# KiCad board rp2350-decoder.kicad_pcb (continued)
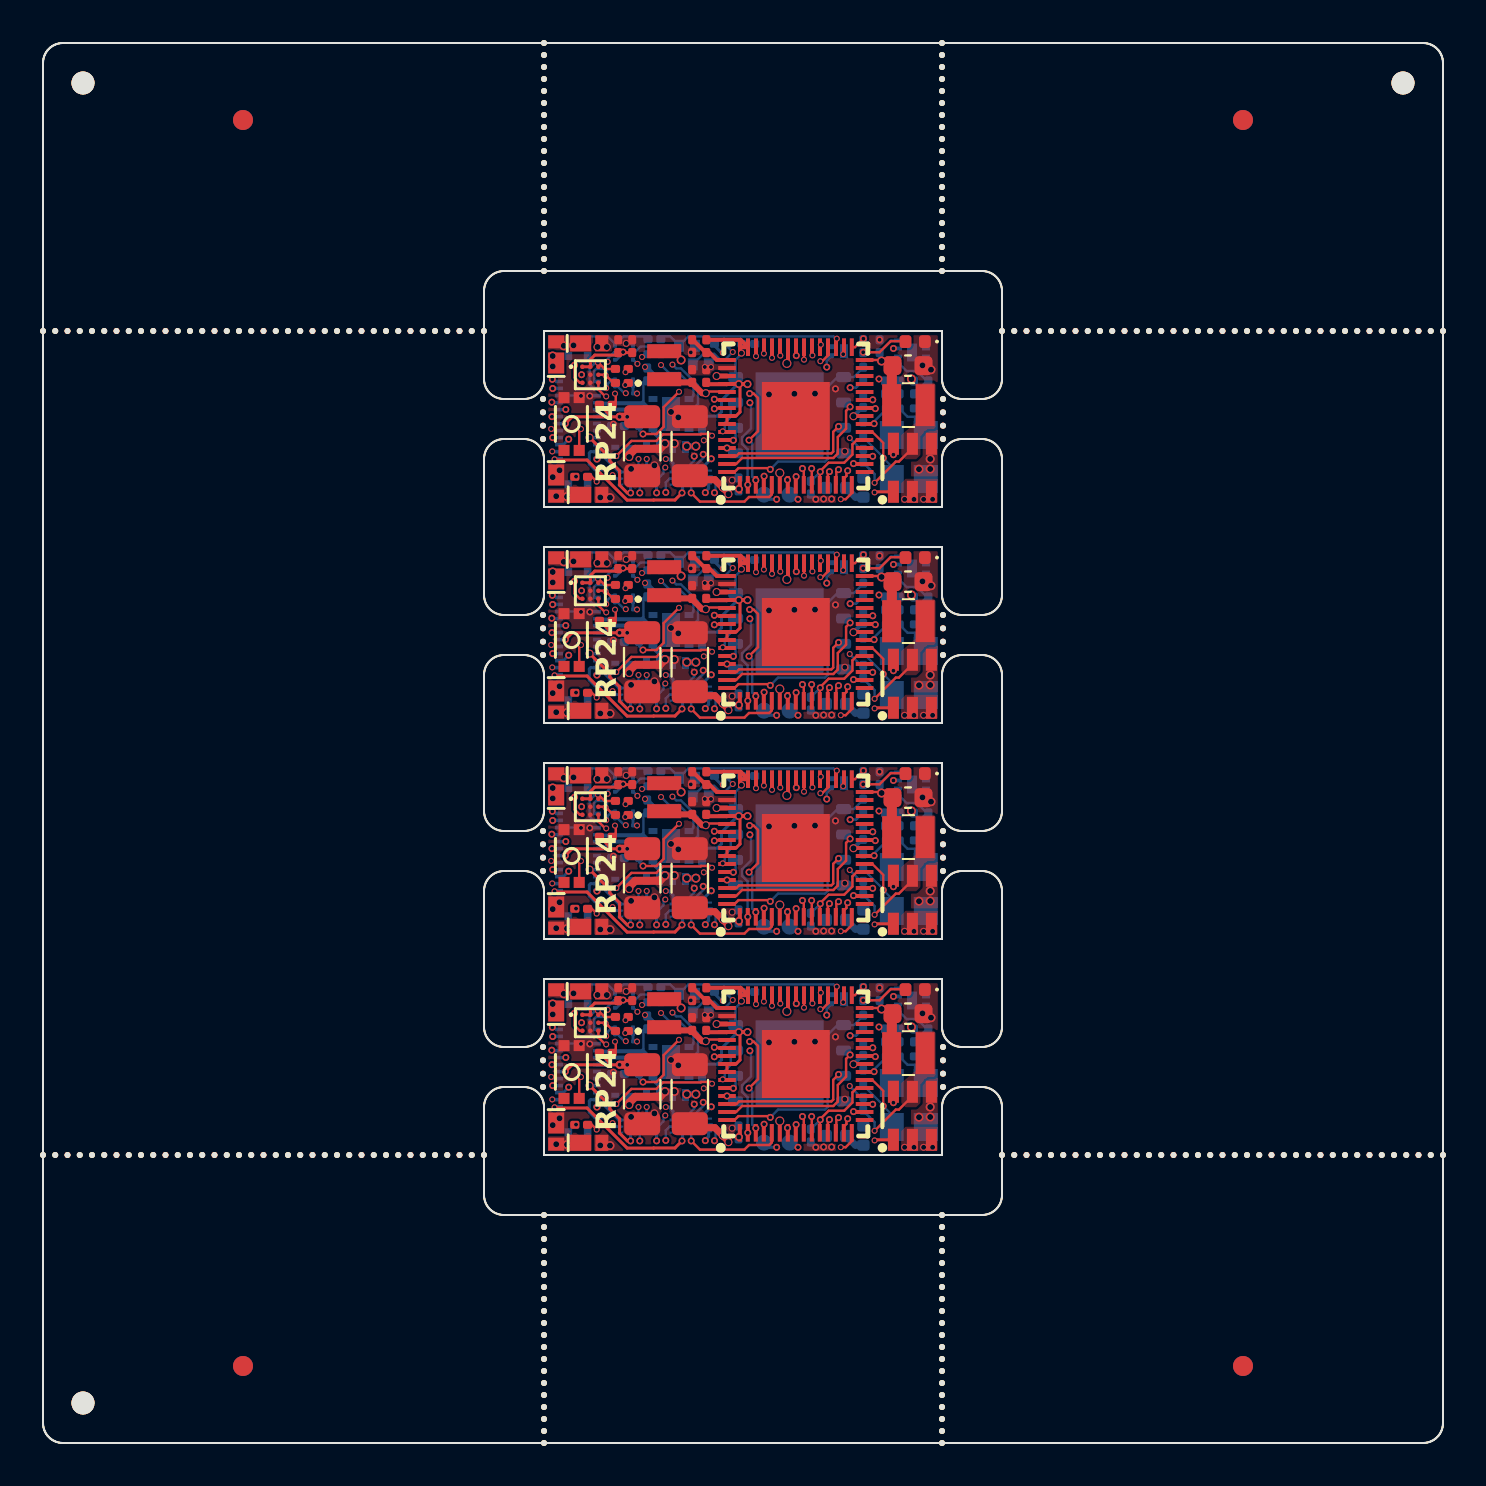
[diagram p0: board, top side]
## Routing (per net, layer and track width the routed paths; a pad name or vN(x,y) marks a point on that pad's centre or on a via; arc(x,y) is an arc through that point) (continued)
  Bottom w0.12: 25.8,18.92 25.46,18.92 v3(25.45,18.92)
Board_3-/AUX11: length 17.3
  In4.Cu w0.12: v3(35.34,19.61) 35.4,19.61 35.68,19.89 35.68,20.82 35.09,21.41 33.84,21.41 33.72,21.53 33.72,21.53 33.53,21.72 33.53,21.72 33.49,21.76 32.93,21.76 32.22,21.05 29.77,21.05 29.36,21.46 28.98,21.46 28.84,21.32 28.01,21.32 27.36,20.67 25.58,20.67 v3(25.47,20.78)
  Bottom w0.12: v3(35.24,15.51) 35.23,15.52 35.23,17.28 34.96,17.55 34.95,17.55 34.95,17.88 35.4,18.33 35.4,19.56 v3(35.34,19.61)
Board_3-/AUX12: length 15.6
  Top w0.12: v3(35.3,17.74) 35.75,18.19 35.75,19.85 35.53,20.07 v3(35.33,20.07)
  In4.Cu w0.12: v3(35.33,20.07) 34.74,20.07 34.23,20.58 33.53,20.58 33.29,20.82 29.67,20.82 29.67,20.82 29.67,20.82 28.47,20.82 28.31,20.66 27.83,20.66 27.49,20.32 v3(25.48,20.32)
  Bottom w0.12: v3(35.3,17.74) 35.46,17.58 35.46,15.92 v3(35.64,15.74) ; v3(25.48,20.32) 25.8,20.32
Board_3-/CAP_ENABLE: length 14.7
  Top w0.12: v5(33.45,17.96) 33.36,18.05 32.91,18.05 32.88,18.03 30.99,18.03 30.67,17.7 29.42,17.7 v5(28.66,16.95)
  In3.Cu w0.12: v5(40.01,22.04) 40.01,20.2 39.55,19.74 39.55,19.74 38.38,18.57 33.89,18.57 33.45,18.13 v5(33.45,17.96)
Board_3-/CAP_VDC: length 6.3
  Top w0.35: v1(33.99,15.36) 34.27,15.09 v1(34.27,15.04) 34.27,15.04 ; v1(33.99,15.36) 33.99,15.4 ; v1(33.99,15.36) 33.59,15.77 32.55,15.77 ; 31.56,17.57 v7(31.56,17.58)
  Top w0.4: v7(31.1,17.57) 30.83,17.31 29.61,17.31 29.31,17.01 v1(29.31,16.9)
  In3.Cu w0.4: 31.56,17.58 v7(31.56,17.58)
  Bottom w0.2: v7(31.1,17.57) 30.51,18.16 30.51,18.29 30.5,18.3 U6#2.1
  Bottom w0.35: C2#2.1 40.62,14.89 40.16,15.35 C3.1
  vias: v6(43.08,14.78) v6(43.55,14.78) v6(44.03,14.78) v6(44.48,14.78)
Board_3-/COMP_N: length 2.7
  Bottom w0.12: R1#4.2 42.14,20.06 42.78,20.7 R2#2.1 42.35,21.18 42.35,21.67 42.61,21.92 U1#4.6
Board_3-/COMP_P: length 2.8
  Bottom w0.12: U1#4.5 42.85,21.53 43.18,21.2 43.7,21.2 44.19,20.7 R4.1 44.19,20.7 R3#2.2
Board_3-/DCC_TTL_L: length 9.2
  Bottom w0.12: v5(39.69,22.82) 39.67,22.84 39.61,22.84 39.52,22.93 32.27,22.93 31.87,22.53 31.76,22.53 31.36,22.93 31.03,22.93 R6#4.2
Board_3-/DCC_TTL_R: length 6.1
  Top w0.12: U4.41 v5(36.45,21.86)
  In2.Cu w0.12: v5(34.49,22.15) 34.49,22.15 34.81,22.47 36.1,22.47 36.45,22.12 v5(36.45,21.86)
  Bottom w0.12: D8#3.1 33.02,22.06 33.56,22.06 33.86,21.76 34.1,21.76 v5(34.49,22.15) 34.11,22.53
Board_3-/GPIO2: length 4.6
  Top w0.12: v3(36.05,15.94) 36.04,15.93 U4.4
  In4.Cu w0.12: v3(36.05,15.94) 35.91,16.08 34.16,16.08 33.57,15.5 v3(33.57,15.11)
  Bottom w0.12: Q7#4.2 33.45,15.92 33.62,15.75 33.62,15.16 v3(33.57,15.11)
Board_3-/GPIO3: length 5.8
  Top w0.12: U4.5 36.44,15.03 36.31,14.9 35.3,14.9 35.07,14.67 32.85,14.67 v3(32.41,15.11)
  Bottom w0.12: Q7#4.5 32.54,15.82 32.41,15.69 v3(32.41,15.11)
Board_3-/GPIO4: length 7.6
  In2.Cu w0.12: v3(31.14,15.13) 31.6,14.67 35.07,14.67 35.99,15.59 37.06,15.59 v3(37.23,15.75)
  Bottom w0.12: v3(31.14,15.13) 31.14,15.63 31.33,15.82 Q8#2.5
Board_3-/GPIO5: length 10.1
  Top w0.12: U4.8 37.64,15.91 v3(37.65,15.92)
  In4.Cu w0.12: v3(29.84,15.11) 30.27,14.67 36.08,14.67 36.82,15.41 37.42,15.41 37.6,15.59 37.6,15.87 v3(37.65,15.92)
  Bottom w0.12: Q6#2.5 29.94,15.82 29.84,15.72 v3(29.84,15.11)
Board_3-/GPIO6: length 11.4
  Top w0.12: v3(37.97,16.33) 38.04,16.26 U4.9
  In4.Cu w0.12: v3(37.97,16.33) 37.67,16.63 36.22,16.63 35.91,16.31 34.06,16.31 33.49,15.75 28.75,15.75 28.51,15.99 v5(28.48,15.99)
  Bottom w0.12: v5(28.48,15.99) 28.51,15.99 28.68,15.82 Q5.5
Board_3-/GPIO7: length 11.8
  Top w0.12: v3(38.43,16.33) 38.44,16.32 U4.10
  In4.Cu w0.12: 38.43,16.35 38.43,16.53 38.1,16.86 36.13,16.86 35.81,16.55 33.96,16.55 33.4,15.98 30.4,15.98 29.74,16.64 29.74,16.72 29.77,16.75 v5(29.77,16.8)
  Bottom w0.12: v5(29.77,16.8) 29.77,16.05 29.64,15.92 Q5.2
Board_3-/GPIO8: length 10.4
  Top w0.12: v3(39.32,16.17) 39.24,16.09 U4.12
  In4.Cu w0.12: v5(31.11,16.38) 31.2,16.38 31.33,16.25 33.34,16.25 33.87,16.78 35.72,16.78 36.03,17.09 38.42,17.09 39.32,16.19 v3(39.32,16.17)
  Bottom w0.12: Q6#2.2 30.85,15.92 31.03,16.09 31.03,16.33 31.07,16.38 v5(31.11,16.38)
Board_3-/GPIO9: length 9.8
  Top w0.12: v3(39.78,16.27) 39.67,16.16 39.67,15.54
  In4.Cu w0.12: v3(33.01,17.03) 33.13,17.16 33.56,17.16 33.71,17 35.62,17 35.93,17.32 38.73,17.32 v3(39.78,16.27)
  Bottom w0.12: v3(33.01,17.03) 33.01,16.85 32.36,16.2 32.36,16.14 32.14,15.92 Q8#2.2
Board_3-/GPIO25: length 11.4
  Top w0.12: v5(38.05,21.77) U4.37
  In4.Cu w0.12: v5(38.05,21.77) 37.47,21.19 35.95,21.19 35.5,21.64 33.94,21.64 33.58,22 32.79,22 32.09,21.3 31.69,21.3 v5(31.47,21.52)
  Bottom w0.12: v5(31.47,21.52) 31.66,21.33 31.9,21.33 32.75,20.48 32.75,19.55 32.7,19.5 32.7,19.48 32.68,19.48 32.5,19.3 32.35,19.3 32.35,19.3 U6#2.6
Board_3-/GPIO26: length 10
  Top w0.12: v5(36.86,21.97) 36.85,21.98 U4.40
  In4.Cu w0.12: v5(36.86,21.97) 36.36,22.47 31.57,22.47 30.9,21.8 v5(30.9,21.5)
  Bottom w0.12: U6#2.5 32.33,19.83 32.35,19.83 32.4,19.88 32.43,19.88 32.52,19.97 32.52,20.38 31.8,21.1 31.3,21.1 v5(30.9,21.5)
Board_3-/I2S_BCLK: length 14.4
  Top w0.12: v3(26.58,21.49) 26.58,21.4 26.58,21.4 26.58,20.87 26.84,20.61 U5.C1
  In4.Cu w0.12: v5(38.89,22.51) 38.89,22.57 38.53,22.93 27.73,22.93 27.29,22.49 27.29,22.21 26.58,21.49 v3(26.58,21.49)
Board_3-/I2S_DIN: length 14.5
  Top w0.12: v5(38.87,21.69) 38.96,21.69 39.25,21.98 U4.34
  In4.Cu w0.12: v3(26.93,21.01) 26.93,21.31 27.59,21.98 28.39,21.98 28.57,21.8 29.29,21.8 30.19,22.7 38.25,22.7 38.87,22.08 v5(38.87,21.69)
Board_3-/I2S_LRCLK: length 15.9
  Top w0.12: v5(38.47,21.98) 38.45,22 U4.36 ; v5(28.16,19.93) 28.12,19.93 27.77,20.28 U5.C3
  In3.Cu w0.12: v5(38.47,21.98) 37.52,22.93 27.73,22.93 27.35,22.55 27.35,20.7 27.84,20.21 27.84,20.21 28.03,20.02 28.03,20.02 28.12,19.93 v5(28.16,19.93)
Board_3-/LAMP_FRONT: length 4.6
  Top w0.15: v3(29.38,15.11) 29.22,15.11 28.83,15.49 28.83,16.21 28.34,16.7 28.34,16.87 27.34,17.87 v1(27.33,17.87)
  Bottom w0.15: 27.7,17.88 27.33,17.88 v1(27.33,17.87) ; v3(29.38,15.11) Q5.3
Board_3-/LAMP_REAR: length 2.1
  Bottom w0.15: 27.7,17.53 27.93,17.53 28.09,17.37 28.09,16.86 28.8,16.15 Q5.6
Board_3-/MOTOR_A: length 3.2
  Bottom w0.2: 27.7,18.92 28.04,18.92 28.39,19.27 29.81,19.27 30.28,18.8 U6#2.2 30.5,18.8 30.52,18.8
Board_3-/MOTOR_B: length 4.4
  Bottom w0.12: R18#2.2 30.08,20.71 30.02,20.65 30.02,19.71 29.95,19.64 29.95,19.59
  Bottom w0.2: U6#2.3 30.3,19.3 30.01,19.59 28.33,19.59 28.31,19.57 28.01,19.57 28,19.58 27.7,19.28
Board_3-/QSPI_CS: length 10.5
  Top w0.12: 34.58,16.15 34.77,16.34 36.3,16.34 v3(36.36,16.28)
  Bottom w0.12: 39.72,20.89 39.23,20.4 39.23,16.8 39.1,16.67 36.75,16.67 v3(36.36,16.28) ; R8#3.1 41.01,21.36 40.54,20.89 U3.1
Board_3-/QSPI_SCLK: length 0.7
  Bottom w0.12: 34.63,18.36 34.63,17.85 v3(34.52,17.73)
Board_3-/QSPI_SD0: length 0.4
  Bottom w0.12: 34.47,17.08 v3(34.2,17.35)
Board_3-/QSPI_SD1: length 8.7
  Top w0.12: v3(40.35,19.41) 40.15,19.21 40.15,18.31 39.74,17.9 39.74,17.07 39.52,16.85 34.95,16.85 34.65,16.55 U4.59
  Bottom w0.12: v3(40.35,19.41) 40.14,19.62
Board_3-/QSPI_SD2: length 6.8
  Top w0.12: v3(39.78,18.43) 39.51,18.16 39.51,17.17 39.42,17.08 34.8,17.08 34.67,16.95 U4.58
Board_3-/QSPI_SD3: length 1.7
  Bottom w0.12: v5(33.99,18.18) 33.99,18.18 34.09,18.28 34.09,18.61 34.39,18.91 34.39,19.39 U3.7
Board_3-/RC_TX: length 14.6
  Top w0.12: v5(27.68,15.67) 27.44,15.91 R13#3.2 ; v5(39.89,14.79) 40.13,14.79 40.44,15.09 U4.15
  In1.Cu w0.12: v5(39.89,14.79) 39.89,14.83 39.58,15.14 36.55,15.14 36.08,14.67 29.11,14.67 28.36,15.42 27.94,15.42 v5(27.68,15.67)
Board_3-/SPEAKER_N: length 2.5
  Top w0.12: U5.B3 28.1,21.01 v5(28.13,20.98) 28.22,20.89 28.24,20.89 28.58,20.55
  Bottom w0.12: 27.56,20.65 27.56,21.21 27.65,21.3 28.1,21.3 28.2,21.2 28.2,21.05 v5(28.13,20.98)
Board_3-/SPEAKER_P: length 3
  Top w0.12: 28.57,21.3 28.09,21.3 27.77,21.62 v5(27.74,21.62) 27.77,21.59 U5.A3
  Bottom w0.12: v5(27.74,21.62) 27.62,21.62 27.33,21.33 27.33,20.52 27.52,20.33 J3#2.2
Board_3-/SWCLK: length 10.1
  Top w0.15: U4.24 41.58,19.35 v3(41.62,19.32)
  In4.Cu w0.15: v3(37.75,14.79) 37.75,15.03 38.22,15.5 40.66,15.5 41.29,16.13 42.51,16.13 43.14,16.76 43.14,17.9 41.72,19.32 v3(41.62,19.32)
Board_3-/SWDIO: length 12
  Top w0.15: U4.25 41.48,19.75 v3(41.49,19.76)
  In4.Cu w0.15: v3(41.49,19.76) 41.26,19.53 41.26,19.15 41.48,18.93 41.74,18.93 42.88,17.79 42.88,16.87 42.41,16.39 41.18,16.39 40.55,15.76 38.12,15.76 37.52,15.17 37.01,15.17 36.68,14.83 v3(36.68,14.78)
  Bottom w0.15: J1#2.1 36.29,14.78 v3(36.68,14.78)
Board_3-/SWITCH: length 4.1
  Top w0.12: v5(41.58,15.61) 42.64,16.67 42.79,16.67 43.47,17.34 U2#2.5
  Bottom w0.12: C4.2 41.01,16.58 41.06,16.53 41.09,16.53 41.32,16.3 41.32,16.3 41.5,16.12 41.5,16.12 41.58,16.04 v5(41.58,15.61)
Board_3-/TRACK_LEFT: length 3.5
  Bottom w0.12: R6#4.1 30.22,22.82 30.19,22.82 30.08,22.93 29.02,22.93 28.62,22.53 28.62,22.48 Q4.6 28.6,22.56 28.23,22.93 27.3,22.93
  vias: v7(26.04,22.46) v7(26.52,22.48)
Board_3-/TRACK_RIGHT: length 18.9
  In2.Cu w0.12: 27.35,21.15 27.35,20.95 27,20.6 26.55,20.6 25.79,19.84 25.79,19.31 25.77,19.3 25.77,19.1 25.79,19.08 25.79,18.74 25.75,18.7 25.75,18.1 25.83,18.02 25.83,17.26 26.22,16.86 26.22,16.07 25.66,15.51 v7(25.66,14.94) ; 27.35,21.15 27.35,22.56 27.73,22.93 33.22,22.93 34,22.15 34,22.13 33.99,22.12 v5(33.99,22.11) ; 27.35,21.15 27.35,21 28.01,20.34 v5(28.16,20.34)
  Bottom w0.12: v5(28.16,20.34) 28.2,20.3 28.22,20.3 28.24,20.32 28.24,20.56 28.46,20.78 Q3#4.6
  Bottom w0.15: R7#4.2 33.51,22.56 33.5,22.56 33.5,22.54 33.89,22.15 33.96,22.15 33.99,22.12 v5(33.99,22.11)
  vias: v7(26.2,14.92)
Board_3-/USB_N: length 7.2
  Top w0.12: v3(33.57,19.79) 33.6,19.75 U4.51
  In1.Cu w0.12: v5(29.11,20.5) 28.79,20.82 28.79,21.27 28.98,21.46 29.26,21.46 29.7,21.02 30.4,21.02 31.75,19.67 33.45,19.67 v3(33.57,19.79)
Board_3-/USB_P: length 7
  Top w0.12: v3(33.57,19.31) 33.61,19.35 U4.52
  In1.Cu w0.12: v3(33.57,19.31) 33.45,19.43 33.2,19.43 arc(33.13,19.4) 33.11,19.33 33.11,19.25 arc(33.08,19.18) 33.02,19.16 32.97,19.16 arc(32.9,19.18) 32.88,19.25 32.88,19.33 arc(32.85,19.4) 32.79,19.43 32.74,19.43 arc(32.67,19.4) 32.65,19.33 32.65,19.25 arc(32.62,19.18) 32.56,19.16 32.51,19.16 arc(32.44,19.18) 32.42,19.25 32.42,19.33 arc(32.39,19.4) 32.33,19.43 32.28,19.43 arc(32.21,19.4) 32.19,19.33 32.19,19.25 arc(32.16,19.18) 32.1,19.16 32.05,19.16 arc(31.98,19.18) 31.96,19.25 31.96,19.33 arc(31.93,19.4) 31.87,19.43 31.65,19.43 30.3,20.78 29.59,20.78 29.23,21.14 v5(29.13,21.14)
Board_3-/XIN: length 4.7
  Top w0.11: U4.21 41.47,18.15 42.01,17.61 v3(42.01,16.85)
  Bottom w0.11: Y1#3.1 42.44,16.42 v3(42.01,16.85) 42.01,16.89 41.01,17.89 C11#4.1
Board_3-/XOUT: length 1.5
  Top w0.12: v3(41.55,18.57) 41.54,18.55 U4.22
  Bottom w0.12: R5#4.2 42.17,19.29 41.55,18.67 v3(41.55,18.57)
Board_3-GND: length 3.8
  Bottom w0.12: v6(34.45,15.74) 34.45,15.74 34.45,15.78 34.53,15.85 C13.2 ; v6(29.16,22.58) 29.4,22.58 29.5,22.48 Q4.1 ; Q8#2.1 32.05,16.22 32.56,16.73 v3(32.56,16.94) ; v3(26.9,19.95) 26.88,19.97 25.8,19.97
  Bottom w0.15: Q5.1 29.4,16.23 v1(29.4,16.31) ; v1(30.57,16.48) 30.57,16.36 Q6#2.1 ; 27.7,19.97 27.36,19.97 v3(27.34,19.95)
  Bottom w0.2: 31.59,19.26 31.59,19.45
  vias: v1(27.72,22.4) v1(28.19,22.4) v1(31.4,19.15) v1(31.76,18.88) v3(28.52,18.54) v3(38.64,14.78) v3(39.03,14.8) v3(39.43,14.8) v3(39.62,20.31) v3(41.83,22.76) v5(32.39,22.13) v5(33.09,21.4) v5(33.4,21.4) v6(40.09,17.19) v7(27.87,14.88) v7(28.35,14.87) v7(36.3,20.03) v7(37.57,20.06) v7(38.6,20.07) v7(43.8,16.29) v7(43.97,21.48) v7(44.4,21.26) v7(44.36,16.8) v7(44.36,16.3)
Board_3-Net-(C8-Pad1): length 2.9
  Bottom w0.12: 43.6,18.91 43.6,18.54 Y1#3.3 ; C8#2.1 43.79,18.91 43.23,18.91 R5#4.1
Board_3-Net-(D9-A): length 2.3
  Top w0.12: 43.1,22.69 42.38,22.69 41.83,22.14 v3(41.01,22.14)
Board_3-Net-(Q2-G): length 4.7
  In4.Cu w0.12: v3(39.19,21.39) 39.27,21.32 39.92,21.32 39.92,21.32 40.98,21.32 41.99,22.33 v3(42.52,22.33)
  Bottom w0.12: v3(42.52,22.33) 42.6,22.33 42.6,22.33 U1#4.7 ; v3(39.19,21.39) 39.19,21.71 39.41,21.94 39.48,21.94 39.5,21.92
Board_3-Net-(Q3A-B1): length 4
  In2.Cu w0.12: v5(29.7,20.08) 29.7,20.52 30.42,21.24 30.42,21.53 30.05,21.9 v5(29.95,21.9)
  Bottom w0.12: v5(29.7,20.08) 29.7,20.08 Q3#4.3 ; R12#4.1 30.09,22.04 v5(29.95,21.9) ; Q3#4.3 Q3#4.1 ; Q3#4.3 Q3#4.2
Board_3-Net-(Q3B-B2): length 10.3
  In2.Cu w0.12: v5(26.65,15.92) 26.65,17.91 26.49,18.08 26.49,20.03 26.76,20.3 27.5,20.3 27.69,20.11 27.69,19.95 28.03,19.61 28.65,19.61 v5(29.14,20.09)
  In3.Cu w0.12: v5(29.72,21.56) 29.72,20.55 29.26,20.09 v5(29.14,20.09)
  Bottom w0.12: Q3#4.5 28.73,20.43 29.07,20.09 v5(29.14,20.09) ; v5(29.72,21.56) 29.7,21.58 29.7,21.58 29.52,21.76 Q4.3
Board_3-Net-(Q3B-E2): length 3.1
  Top w0.12: R11#4.2 28.64,19.69 28.64,20.06 28.63,20.07 v5(28.6,20.07)
  In3.Cu w0.12: v5(28.24,21.66) 28.64,21.26 28.64,20.11 v5(28.6,20.07)
  Bottom w0.12: Q4.5 28.53,22.11 28.24,21.82 v5(28.24,21.66)
Board_3-Net-(Q4A-B1): length 1.7
  Bottom w0.12: R12#4.2 30.51,22.42 29.87,22.42 29.56,22.11 Q4.2
Board_3-Net-(R8-Pad2): length 17.1
  Top w0.12: SW1#2.2 26.81,18.21 v5(26.9,18.3)
  In3.Cu w0.12: v3(40.36,20.37) 40.36,20.36 40.36,20.23 39.78,19.65 39.78,19.64 38.47,18.34 34.63,18.34 33.94,17.64 33.09,17.64 33.04,17.7 v5(33.04,17.73)
  In4.Cu w0.12: v5(33.04,17.73) 32.8,17.97 31.28,17.97 30.85,18.4 29.57,18.4 29.37,18.19 27.71,18.19 27.6,18.3 v5(26.9,18.3)
  Bottom w0.12: v3(40.36,20.37) 40.36,20.37 40.66,20.37 41.01,20.72 R8#3.2
Board_3-Net-(U2-BST): length 3.5
  In1.Cu w0.12: v3(42.52,17.01) 41.69,17.85 v5(40.34,17.85)
  Bottom w0.12: v5(40.34,17.85) 40.34,17.84 40.96,17.22 40.98,17.22 41.01,17.25 C4.1
Board_3-Net-(U4-GPIO19): length 0.8
  Top w0.12: U4.31 40.59,22.39 v3(41.02,22.81)
Board_3-Net-(U4-VREG_AVDD): length 2.2
  Top w0.2: U4.46 33.69,21.75 33.32,22.12 R14.1 33.13,22.12 32.49,22.76 C15#2.1
Board_3-Net-(U4-VREG_LX): length 2.6
  Top w0.25: v1(33.68,20.95) U4.48
  In1.Cu w0.35: v1(33.68,20.95) 32.74,20.95 31.94,21.75 v7(31.9,21.75)
Board_3-VDC: length 12.2
  In3.Cu w0.12: v3(41.8,20.8) 41.32,20.8 40.54,20.02 40.48,20.02 40.01,19.55 40.01,19.55 38.57,18.11 35.18,18.11 34.95,17.88 34.95,17.5 34.4,16.95 33.85,16.95 33.39,17.41 32.67,17.41 v7(32.64,17.44)
  Bottom w0.12: 32.67,17.41 v7(32.64,17.44)
  Bottom w0.15: J3#2.17 25.64,18.22 25.63,18.23 25.48,18.23 v5(25.41,18.3)
  Bottom w0.3: v7(32.64,17.44) 32.63,17.43 32.21,17.43 32.18,17.4 D5#3.2
  vias: v7(25.49,21.95) v7(25.49,21.43) v7(25.49,15.89) v7(25.83,16.24) v7(32.19,17.44)

## Copper pours and planes (outline as drawn; the poured copper is in the pictures)
Board_0-+3.3V on In1.Cu: 44.75,55.5 44.75,46.8 25.05,46.8 25.05,55.49
Board_0-+3.3V on In3.Cu: 44.75,55.5 44.75,50.85 27.41,50.85 27.43,55.5
Board_0-/CAP+ on Bottom: 27.4,50.88 27.99,50.88 28,50.89 28,51.29 28.16,51.45 29.91,51.45 29.92,51.44 29.92,50.69 30.08,50.53 30.18,50.53 30.35,50.36 30.35,49.46 30.29,49.4 28.54,49.4 27.51,50.43 27.4,50.43
Board_0-/CAP_VDC on Top: 31.67,47.81 32.94,47.81 33.24,48.11 33.24,48.8 31.89,50.15 30.6,50.15 30.46,50.01 30.46,49.65 31.44,48.67 31.44,48.04
Board_0-/CAP_VDC on Top: 44.95,46.8 42.9,46.8 42.9,47.98 43.13,48.21 44.95,48.21
Board_0-/CAP_VDC on Bottom: 44.55,47.37 44.55,46.8 40.59,46.8 40.59,47.52 40.73,47.66 44.26,47.66
Board_0-/CAP_VDC on Bottom: 31.72,49.4 31.81,49.49 31.81,50.14 31.74,50.21 30.58,50.21 30.49,50.12 30.49,49.49 30.58,49.4
Board_0-/CAP_VDC on In3.Cu: 25.05,55.5 44.75,55.5 44.75,46.8 25.05,46.8
Board_0-/SWITCH on Top: 43.87,50.33 44.23,50.7 44.54,50.7 44.63,50.8 44.64,52.91 44.53,53.02 43.76,53.02 43.65,52.91 43.65,51.04 42.91,50.4 42.92,49.4 43.13,49.19 43.66,49.19 43.87,49.4
Board_0-/TRACK_LEFT on Top: 27.44,54.56 25.17,54.56 25.06,54.67 25.06,55.5 27.51,55.5 27.51,54.63
Board_0-/TRACK_LEFT on Bottom: 25.88,55.57 26.51,55.56 26.57,55.5 27.43,55.5 27.53,55.4 27.53,54.13 27.44,54.04 26.05,54.04 25.78,54.31 25.78,55.47
Board_0-/TRACK_RIGHT on Top: 27.43,47.01 27.43,47.8 27.33,47.91 26.23,47.91 26.07,47.74 25.11,47.74 25.11,46.85 27.28,46.85
Board_0-/TRACK_RIGHT on Bottom: 25.6,47.13 26.3,47.13 26.79,47.63 27.44,47.62 27.48,47.67 27.48,48.12 27.44,48.16 25.63,48.16 25.42,47.95 25.42,47.31
Board_0-GND on Top, Bottom, In2.Cu, In4.Cu: 25.05,55.5 44.95,55.5 44.95,46.8 25.05,46.8
Board_0-VDC on Top: 25.05,49.03 27.31,49.03 27.33,49.01 27.33,47.91 27.29,47.87 25.05,47.87
Board_0-VDC on Bottom: 25.05,54.59 25.57,54.59 26.29,53.87 26.29,53.71 26.01,53.43 25.05,53.43
Board_0-VDC on In1.Cu, In3.Cu: 25.06,55.5 26.62,55.5 32.88,49.9 32.88,46.8 25.06,46.79
Board_1-+3.3V on In1.Cu: 44.75,44.7 44.75,36 25.05,36 25.05,44.69
Board_1-+3.3V on In3.Cu: 44.75,44.7 44.75,40.05 27.41,40.05 27.43,44.7
Board_1-/CAP+ on Bottom: 27.4,40.08 27.99,40.08 28,40.09 28,40.49 28.16,40.65 29.91,40.65 29.92,40.64 29.92,39.89 30.08,39.73 30.18,39.73 30.35,39.56 30.35,38.66 30.29,38.6 28.54,38.6 27.51,39.63 27.4,39.63
Board_1-/CAP_VDC on Top: 44.95,36 42.9,36 42.9,37.18 43.13,37.41 44.95,37.41
Board_1-/CAP_VDC on Top: 31.67,37.01 32.94,37.01 33.24,37.31 33.24,38 31.89,39.35 30.6,39.35 30.46,39.21 30.46,38.85 31.44,37.87 31.44,37.24
Board_1-/CAP_VDC on Bottom: 44.55,36.57 44.55,36 40.59,36 40.59,36.72 40.73,36.86 44.26,36.86
Board_1-/CAP_VDC on Bottom: 31.72,38.6 31.81,38.69 31.81,39.34 31.74,39.41 30.58,39.41 30.49,39.32 30.49,38.69 30.58,38.6
Board_1-/CAP_VDC on In3.Cu: 25.05,44.7 44.75,44.7 44.75,36 25.05,36
Board_1-/SWITCH on Top: 43.87,39.53 44.23,39.9 44.54,39.9 44.63,40 44.64,42.11 44.53,42.22 43.76,42.22 43.65,42.11 43.65,40.24 42.91,39.6 42.92,38.6 43.13,38.39 43.66,38.39 43.87,38.6
Board_1-/TRACK_LEFT on Top: 27.44,43.76 25.17,43.76 25.06,43.88 25.06,44.7 27.51,44.7 27.51,43.83
Board_1-/TRACK_LEFT on Bottom: 25.88,44.77 26.51,44.76 26.57,44.7 27.43,44.7 27.53,44.6 27.53,43.33 27.44,43.24 26.05,43.24 25.78,43.51 25.78,44.67
Board_1-/TRACK_RIGHT on Top: 27.43,36.2 27.43,37.01 27.33,37.11 26.23,37.11 26.07,36.94 25.11,36.94 25.11,36.05 27.28,36.05
Board_1-/TRACK_RIGHT on Bottom: 25.6,36.33 26.3,36.33 26.79,36.83 27.44,36.82 27.48,36.87 27.48,37.32 27.44,37.36 25.63,37.36 25.42,37.15 25.42,36.51
Board_1-GND on Top, Bottom, In2.Cu, In4.Cu: 25.05,44.7 44.95,44.7 44.95,36 25.05,36
Board_1-VDC on Top: 25.05,38.23 27.31,38.23 27.33,38.21 27.33,37.11 27.29,37.07 25.05,37.07
Board_1-VDC on Bottom: 25.05,43.79 25.57,43.79 26.29,43.07 26.29,42.91 26.01,42.63 25.05,42.63
Board_1-VDC on In1.Cu, In3.Cu: 25.06,44.7 26.62,44.7 32.88,39.1 32.88,36 25.06,35.99
Board_2-+3.3V on In1.Cu: 44.75,33.9 44.75,25.2 25.05,25.2 25.05,33.89
Board_2-+3.3V on In3.Cu: 44.75,33.9 44.75,29.25 27.41,29.25 27.43,33.9
Board_2-/CAP+ on Bottom: 27.4,29.28 27.99,29.28 28,29.29 28,29.69 28.16,29.85 29.91,29.85 29.92,29.84 29.92,29.09 30.08,28.93 30.18,28.93 30.35,28.76 30.35,27.86 30.29,27.8 28.54,27.8 27.51,28.83 27.4,28.83
Board_2-/CAP_VDC on Top: 44.95,25.2 42.9,25.2 42.9,26.38 43.13,26.61 44.95,26.61
Board_2-/CAP_VDC on Top: 31.67,26.21 32.94,26.21 33.24,26.51 33.24,27.2 31.89,28.55 30.6,28.55 30.46,28.41 30.46,28.05 31.44,27.07 31.44,26.44
Board_2-/CAP_VDC on Bottom: 31.72,27.8 31.81,27.89 31.81,28.54 31.74,28.61 30.58,28.61 30.49,28.52 30.49,27.89 30.58,27.8
Board_2-/CAP_VDC on Bottom: 44.55,25.77 44.55,25.2 40.59,25.2 40.59,25.92 40.73,26.06 44.26,26.06
Board_2-/CAP_VDC on In3.Cu: 25.05,33.9 44.75,33.9 44.75,25.2 25.05,25.2
Board_2-/SWITCH on Top: 43.87,28.73 44.23,29.1 44.54,29.1 44.63,29.2 44.64,31.31 44.53,31.41 43.76,31.41 43.65,31.31 43.65,29.44 42.91,28.8 42.92,27.8 43.13,27.59 43.66,27.59 43.87,27.8
Board_2-/TRACK_LEFT on Top: 27.44,32.96 25.17,32.96 25.06,33.08 25.06,33.9 27.51,33.9 27.51,33.03
Board_2-/TRACK_LEFT on Bottom: 25.88,33.97 26.51,33.96 26.57,33.9 27.43,33.9 27.53,33.8 27.53,32.53 27.44,32.44 26.05,32.44 25.78,32.71 25.78,33.87
Board_2-/TRACK_RIGHT on Top: 27.43,25.41 27.43,26.2 27.33,26.31 26.23,26.31 26.07,26.14 25.11,26.14 25.11,25.25 27.28,25.25
Board_2-/TRACK_RIGHT on Bottom: 25.6,25.53 26.3,25.53 26.79,26.03 27.44,26.02 27.48,26.07 27.48,26.52 27.44,26.56 25.63,26.56 25.42,26.35 25.42,25.71
Board_2-GND on Top, Bottom, In2.Cu, In4.Cu: 25.05,33.9 44.95,33.9 44.95,25.2 25.05,25.2
Board_2-VDC on Top: 25.05,27.43 27.31,27.43 27.33,27.41 27.33,26.31 27.29,26.27 25.05,26.27
Board_2-VDC on Bottom: 25.05,32.99 25.57,32.99 26.29,32.27 26.29,32.11 26.01,31.83 25.05,31.83
Board_2-VDC on In1.Cu, In3.Cu: 25.06,33.9 26.62,33.9 32.88,28.3 32.88,25.2 25.06,25.19
Board_3-+3.3V on In1.Cu: 44.75,23.1 44.75,14.4 25.05,14.4 25.05,23.09
Board_3-+3.3V on In3.Cu: 44.75,23.1 44.75,18.45 27.41,18.45 27.43,23.1
Board_3-/CAP+ on Bottom: 27.4,18.48 27.99,18.48 28,18.49 28,18.89 28.16,19.05 29.91,19.05 29.92,19.04 29.92,18.29 30.08,18.13 30.18,18.13 30.35,17.96 30.35,17.06 30.29,17 28.54,17 27.51,18.03 27.4,18.03
Board_3-/CAP_VDC on Top: 44.95,14.4 42.9,14.4 42.9,15.58 43.13,15.81 44.95,15.81
Board_3-/CAP_VDC on Top: 31.67,15.41 32.94,15.41 33.24,15.71 33.24,16.4 31.89,17.75 30.6,17.75 30.46,17.61 30.46,17.25 31.44,16.27 31.44,15.64
Board_3-/CAP_VDC on Bottom: 31.72,17 31.81,17.09 31.81,17.74 31.74,17.81 30.58,17.81 30.49,17.72 30.49,17.09 30.58,17
Board_3-/CAP_VDC on Bottom: 44.55,14.97 44.55,14.4 40.59,14.4 40.59,15.12 40.73,15.26 44.26,15.26
Board_3-/CAP_VDC on In3.Cu: 25.05,23.1 44.75,23.1 44.75,14.4 25.05,14.4
Board_3-/SWITCH on Top: 43.87,17.93 44.23,18.3 44.54,18.3 44.63,18.4 44.64,20.51 44.53,20.61 43.76,20.61 43.65,20.51 43.65,18.64 42.91,18 42.92,17 43.13,16.79 43.66,16.79 43.87,17
Board_3-/TRACK_LEFT on Top: 27.44,22.16 25.17,22.16 25.06,22.28 25.06,23.1 27.51,23.1 27.51,22.23
Board_3-/TRACK_LEFT on Bottom: 25.88,23.17 26.51,23.16 26.57,23.1 27.43,23.1 27.53,23 27.53,21.73 27.44,21.64 26.05,21.64 25.78,21.91 25.78,23.07
Board_3-/TRACK_RIGHT on Top: 27.43,14.61 27.43,15.41 27.33,15.51 26.23,15.51 26.07,15.34 25.11,15.34 25.11,14.45 27.28,14.45
Board_3-/TRACK_RIGHT on Bottom: 25.6,14.73 26.3,14.73 26.79,15.23 27.44,15.22 27.48,15.27 27.48,15.72 27.44,15.76 25.63,15.76 25.42,15.55 25.42,14.91
Board_3-GND on Top, Bottom, In2.Cu, In4.Cu: 25.05,23.1 44.95,23.1 44.95,14.4 25.05,14.4
Board_3-VDC on Top: 25.05,16.63 27.31,16.63 27.33,16.61 27.33,15.51 27.29,15.47 25.05,15.47
Board_3-VDC on Bottom: 25.05,22.19 25.57,22.19 26.29,21.47 26.29,21.31 26.01,21.03 25.05,21.03
Board_3-VDC on In1.Cu, In3.Cu: 25.06,23.1 26.62,23.1 32.88,17.5 32.88,14.4 25.06,14.39

Small or netless copper shapes (teardrops, artwork), in the pictures only: 8 on Bottom

## Text on the board
B.Silkscreen: MS | 󱟶 | v0.3.3 | I | C
F.Silkscreen: RP24
